# Altium PCB RTM_SFP.PcbDoc (part 10 of 17)
Units mil, origin at the board's own origin, x right, y up, seen from the top; angles counter-clockwise.
Board outline 7185 x 5846.5 mil, 4 copper layers (Top Layer, MidPlane_1, MidPlane_2, Bottom Layer), stack 63.553 mil thick; 389 components, 333 nets, 1578 pads, 1486 vias.
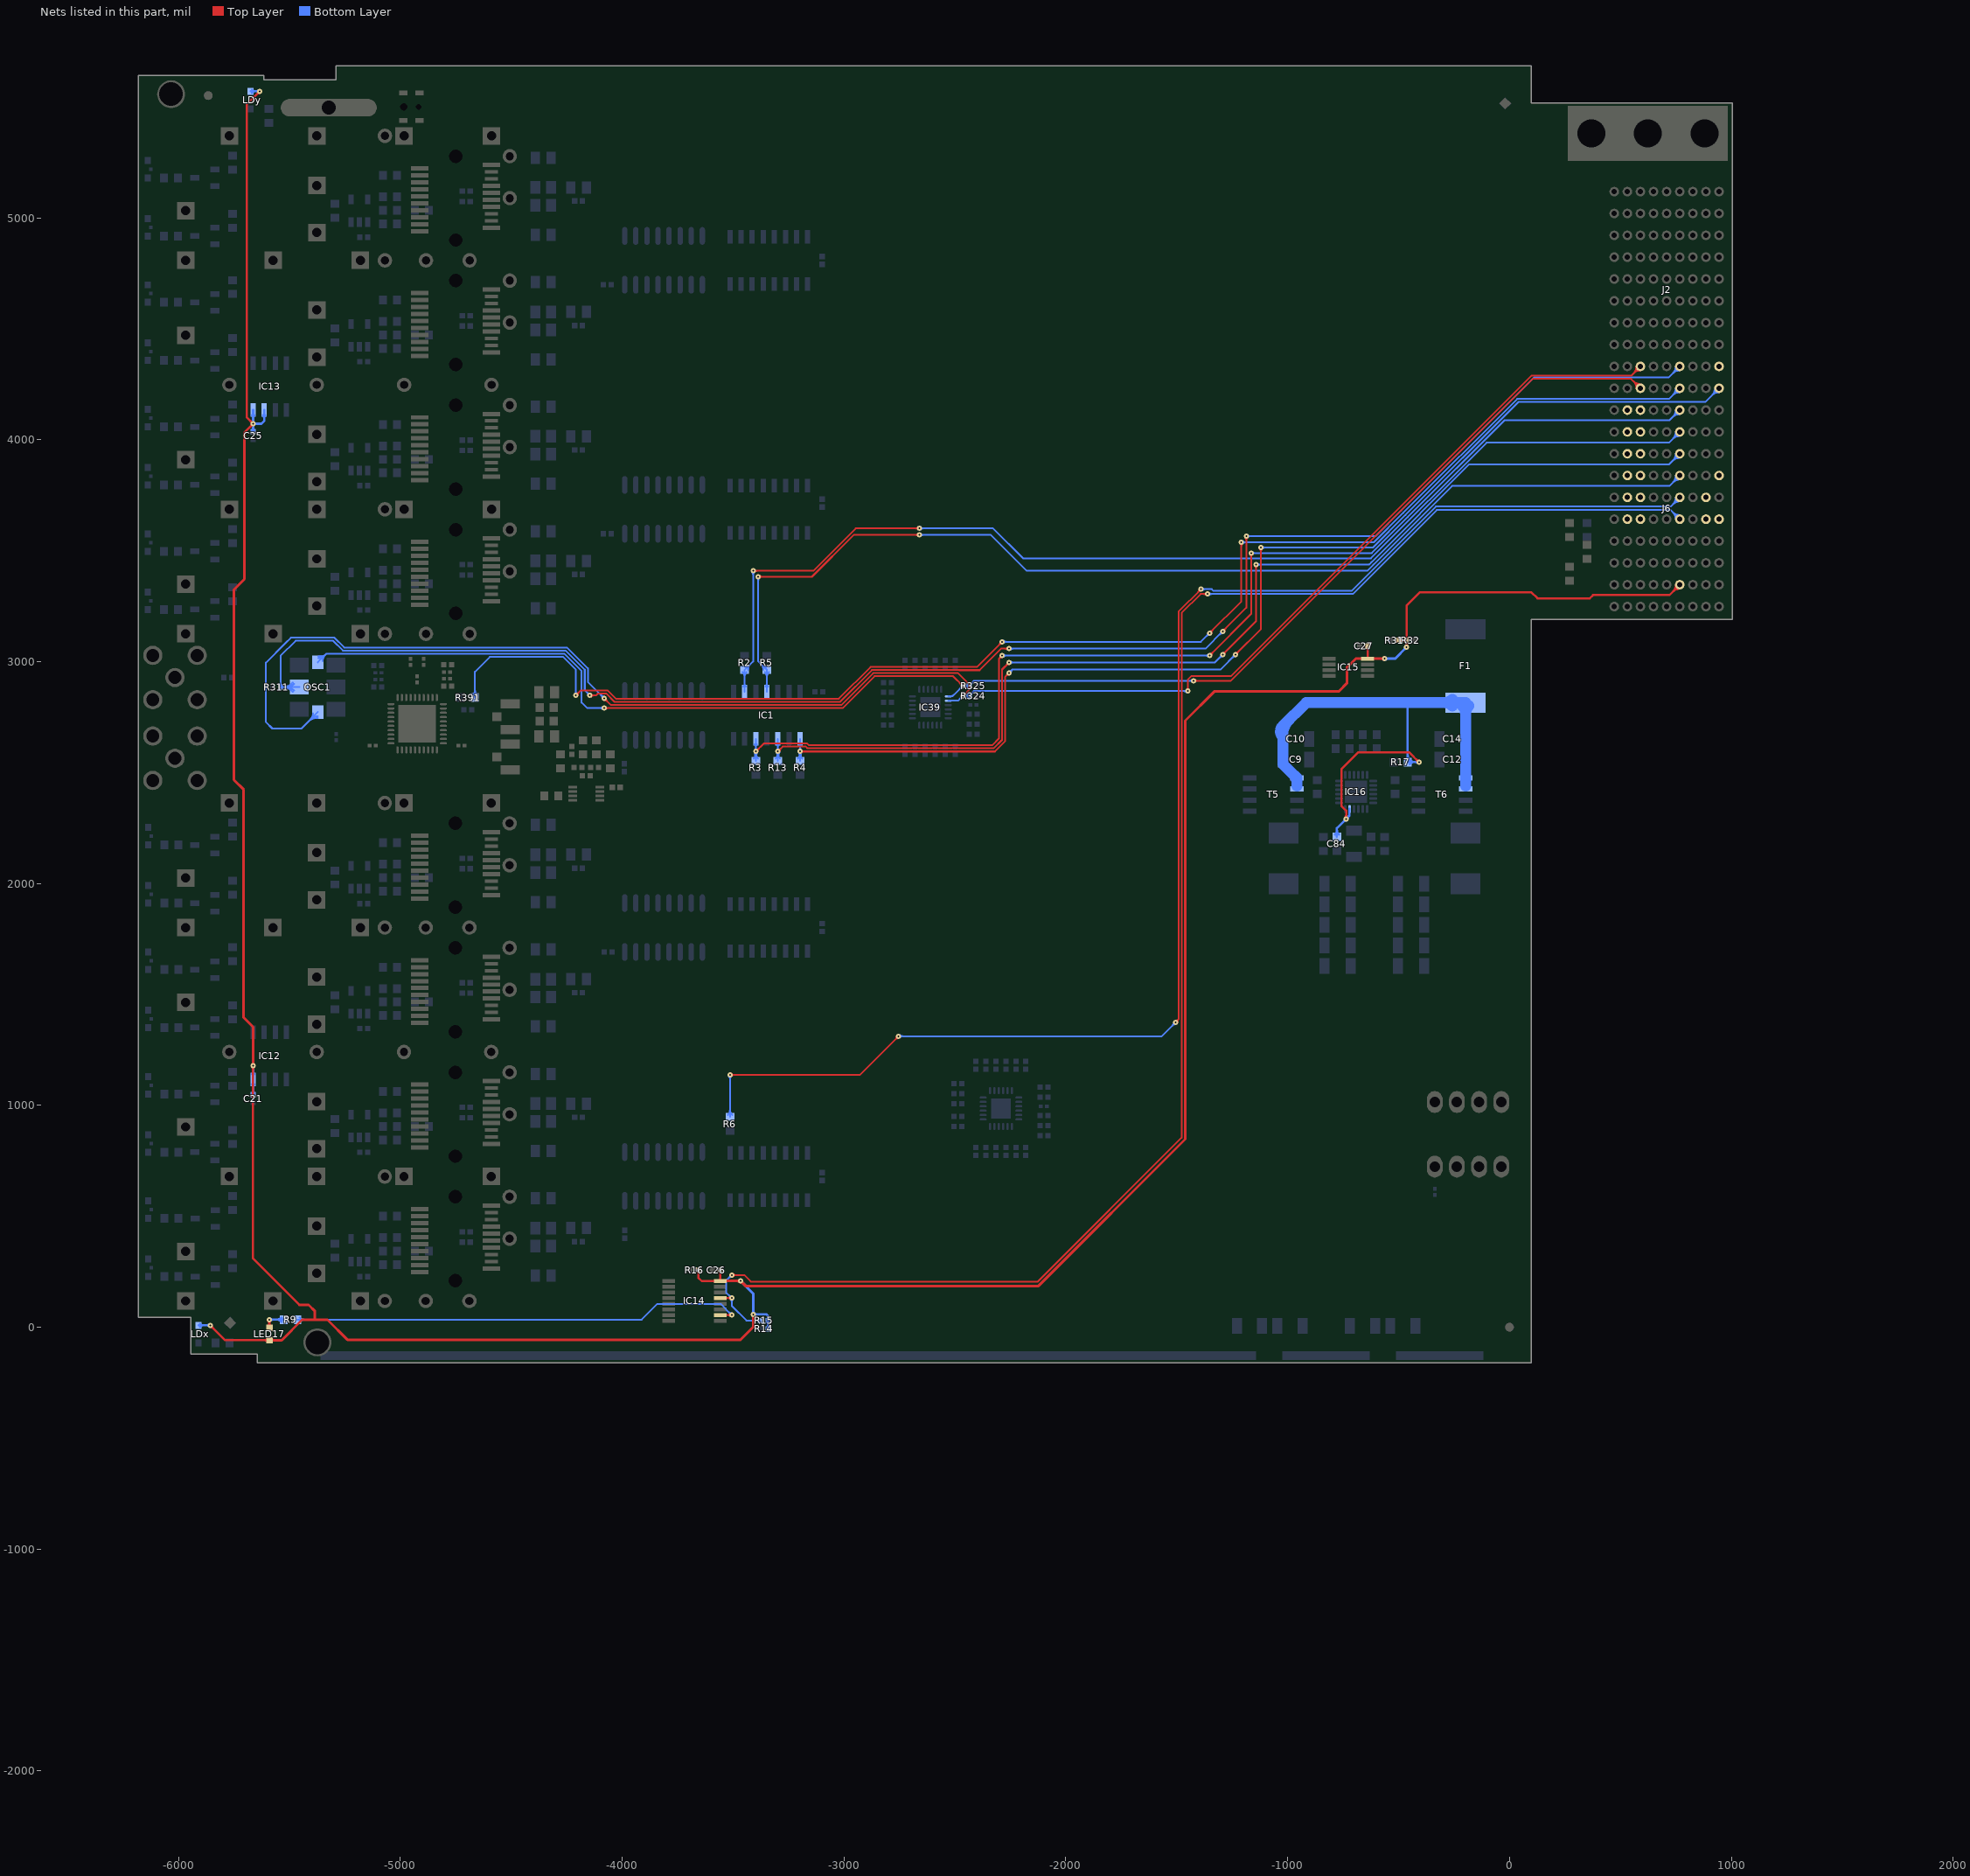
[diagram p12: the nets of this part, all layers, seen from the top]

## Via types
v1: diameter 23.62, hole 7.87, Top Layer to Bottom Layer, tented both sides, 1401 vias
v2: diameter 27.56, hole 11.81, Top Layer to Bottom Layer, tented both sides, 59 vias
v3: diameter 25.98, hole 12.99, Top Layer to Bottom Layer, tented top, 24 vias
v4: diameter 23.62, hole 11.81, Top Layer to Bottom Layer, tented both sides, 2 vias

## Nets (pads, with @x,y where several pads share a name; then routed paths per layer and width w, separated by ;. In a path a pad name is that pad's centre, name@x,y a point inside that pad or via, vN(x,y) a via of type N, cw(c..) or ccw(c..) an arc to the next point about the centre after c; other vN are vias at no path point) (continued)
P3V3MP: C21.1 C25.1 C26.1 C27.1 IC12.8 IC13.7 IC13.8 IC14.16 IC15.8 J6.C2 LDx.2 LDy.2 LED17.A R14.1 R15.1 R16.1 R31.1 R32.1 | length 18204.1
  Top Layer w10: v1(-5857.14,8.32) -5790.21,-58.61 LED17.A@-5590.6,-58.61 ; v1(-5663.8,1178.87) -5664.45,1178.21 -5664.45,309.97 -5455.17,100.68 ; v1(-5663.8,4072.03) -5693.06,4101.29 -5693.06,5511.28 v1(-5634,5570.33) ; LED17.A@-5597.68,-65.68 ccw(c-5614.75,-82.75) -5614.75,-58.61 ccw(c-5614.75,-34.46) LED17.A@-5597.68,-51.54 ; R16.1@-3661.9,252.66 cw(c-3673.53,241.04) -3657.09,241.04 cw(c-3640.64,241.04) R16.1@-3652.27,252.66 ; R16.1@-3657.09,257.48 -3657.09,223.62 -3641.54,208.07 IC14.16@-3558.27,208.07 C26.1@-3558.27,257.48 ; IC14.16@-3580.68,205.34 ccw(c-3587.27,198.76) -3587.27,208.07 ccw(c-3587.27,217.39) IC14.16@-3580.68,210.8 ; C26.1@-3563.36,252.39 cw(c-3575.66,240.09) -3558.27,240.09 cw(c-3540.87,240.09) C26.1@-3553.17,252.39 ; IC14.16@-3561,210.8 ccw(c-3567.58,217.39) -3558.27,217.39 ccw(c-3548.95,217.39) IC14.16@-3555.54,210.8 ; C27.1@-644.46,3064.59 cw(c-656.76,3052.29) -639.37,3052.29 cw(c-621.98,3052.29) C27.1@-634.28,3064.59 ; IC15.8@-642.1,3015.92 ccw(c-648.68,3022.5) -639.37,3022.5 ccw(c-630.06,3022.5) IC15.8@-636.64,3015.92 ; IC15.8@-639.37,3013.19 C27.1@-639.37,3069.69 ; R31.1@-501.59,3096.06 R32.1@-464.17,3096.06 ; R31.1@-496.77,3091.25 cw(c-485.14,3079.62) -485.14,3096.06 cw(c-485.14,3112.51) R31.1@-496.77,3100.88 ; v1(-464.17,3064.96) R32.1@-464.17,3096.06 ; R32.1@-459.36,3091.25 ccw(c-447.73,3079.62) -464.17,3079.62 ccw(c-480.62,3079.62) -468.99,3091.25 ccw(c-480.62,3079.62) -480.62,3096.06 ccw(c-480.62,3112.51) -468.99,3100.88 ccw(c-480.62,3112.51) -464.17,3112.51 ccw(c-447.73,3112.51) R32.1@-459.36,3100.88 ; 746.84,3330.71 cw(c772.34,3323.87) J6.C2@767.05,3349.74 ; 751.97,3325.58 ccw(c745.13,3351.08) J6.C2@770.99,3345.79 ; J6.C2@767.72,3346.46 721.07,3299.81 376.98,3299.81 362.2,3285.04 125.98,3285.04 98.03,3312.99 -402.76,3312.99 -464.17,3251.57 R32.1@-464.17,3096.06 ; -5845.51,-3.3 cw(c-5833.89,8.32) -5850.33,8.32 ccw(c-5833.89,8.32) -5845.51,-3.3 ; -5845.51,-3.3 ccw(c-5857.14,-14.93) -5857.14,1.51 cw(c-5857.14,-14.93) -5845.51,-3.3 ; -5675.42,4083.66 cw(c-5687.05,4072.03) -5670.61,4072.03 ccw(c-5687.05,4072.03) -5675.42,4083.66 ; -5675.42,4083.66 ccw(c-5663.8,4095.29) -5663.8,4078.84 cw(c-5663.8,4095.29) -5675.42,4083.66 ; -5645.63,5558.7 cw(c-5634,5547.08) -5634,5563.52 ccw(c-5634,5547.08) -5645.63,5558.7 ; -5645.63,5558.7 ccw(c-5657.25,5570.33) -5640.81,5570.33 cw(c-5657.25,5570.33) -5645.63,5558.7 ; -464.17,3081.4 cw(c-480.62,3081.4) -468.99,3069.78 ccw(c-480.62,3081.4) -464.17,3081.4 ; -464.17,3081.4 ccw(c-447.73,3081.4) -459.36,3069.78 cw(c-447.73,3081.4) -464.17,3081.4 ; 739.29,3318.03 cw(c767.72,3289.6) 767.72,3329.8 ccw(c767.72,3289.6) 739.29,3318.03 ; 739.29,3318.03 ccw(c710.86,3346.46) 751.06,3346.46 cw(c710.86,3346.46) 739.29,3318.03 ; v1@-5668.61,1174.05 cw(c-5678.65,1164.01) -5664.45,1164.01 ccw(c-5678.65,1164.01) v1@-5668.61,1174.05 ; -5664.45,1160.84 cw(c-5645.76,1160.84) -5658.98,1174.05 ccw(c-5645.76,1160.84) -5664.45,1160.84
  Top Layer w11.81: v1(-5663.8,1178.87) -5663.8,1352.77 -5706.57,1395.55 -5706.57,2423.11 -5750.55,2467.08 -5750.55,3324.26 -5703.15,3371.65 -5703.15,4032.68 v1(-5663.8,4072.03) ; LED17.A@-5590.6,-58.61 -5534.98,-58.61 -5442.91,33.46 -5328.89,33.46 -5239.06,-56.37 -3466.02,-56.37 -3408.66,0.99 v1(-3408.66,57.87) ; LED17.A@-5584.17,-65.04 cw(c-5568.65,-80.56) -5568.65,-58.61 cw(c-5568.65,-36.65) LED17.A@-5584.17,-52.18 ; -5455.17,100.68 -5413.68,100.68 -5385.43,72.44 -5385.43,33.46 ; IC14.16@-3558.27,208.07 v1(-3465.75,208.07) -3443.7,186.02 -2123.1,186.02 -1461.81,847.31 -1461.81,2733.64 -1328.91,2866.54 -768.41,2866.54 -733.02,2901.93 -733.02,2973.67 -693.5,3013.19 IC15.8@-639.37,3013.19 v1(-562.99,3013.19) ; -5673.88,4061.95 cw(c-5663.8,4051.87) -5663.8,4066.13 ccw(c-5663.8,4051.87) -5673.88,4061.95 ; -5673.88,4061.95 ccw(c-5683.96,4072.03) -5669.7,4072.03 cw(c-5683.96,4072.03) -5673.88,4061.95 ; -5663.8,1193.12 cw(c-5678.05,1193.12) -5667.97,1183.04 ccw(c-5678.05,1193.12) -5663.8,1193.12 ; -5663.8,1193.12 ccw(c-5649.54,1193.12) -5659.62,1183.04 cw(c-5649.54,1193.12) -5663.8,1193.12 ; -3480.01,208.07 cw(c-3480.01,193.81) -3469.92,203.89 ccw(c-3480.01,193.81) -3480.01,208.07 ; -3480.01,208.07 ccw(c-3480.01,222.33) -3469.92,212.25 cw(c-3480.01,222.33) -3480.01,208.07 ; -3455.67,197.99 cw(c-3445.59,208.07) -3459.84,208.07 ccw(c-3445.59,208.07) -3455.67,197.99 ; -3455.67,197.99 ccw(c-3465.75,187.91) -3465.75,202.17 cw(c-3465.75,187.91) -3455.67,197.99 ; -3408.66,43.62 cw(c-3394.4,43.62) -3404.49,53.7 ccw(c-3394.4,43.62) -3408.66,43.62 ; -3408.66,43.62 ccw(c-3422.92,43.62) -3412.84,53.7 cw(c-3422.92,43.62) -3408.66,43.62 ; -577.25,3013.19 cw(c-577.25,2998.93) -567.17,3009.01 ccw(c-577.25,2998.93) -577.25,3013.19 ; -577.25,3013.19 ccw(c-577.25,3027.45) -567.17,3017.36 cw(c-577.25,3027.45) -577.25,3013.19
  Bottom Layer w10: LDx.2@-5909.5,8.32 v1(-5857.14,8.32) ; LDx.2@-5903.29,2.11 cw(c-5888.31,-12.87) -5888.31,8.32 cw(c-5888.31,29.52) LDx.2@-5903.29,14.53 ; LDy.2@-5675.25,5570.33 v1(-5634,5570.33) ; LDy.2@-5669.04,5564.12 cw(c-5654.05,5549.14) -5654.05,5570.33 cw(c-5654.05,5591.53) LDy.2@-5669.04,5576.54 ; C21.1@-5668.89,1053.13 ccw(c-5681.19,1065.43) -5663.8,1065.43 ccw(c-5646.4,1065.43) C21.1@-5658.7,1053.13 ; C25.1@-5668.89,4041.51 ccw(c-5681.19,4053.81) -5663.8,4053.81 ccw(c-5646.4,4053.81) C25.1@-5658.7,4041.51 ; IC12.8@-5668.61,1094.06 cw(c-5680.24,1082.43) -5663.8,1082.43 cw(c-5647.35,1082.43) IC12.8@-5658.98,1094.06 ; IC12.8@-5668.61,1141.09 ccw(c-5680.24,1152.72) -5663.8,1152.72 ccw(c-5647.35,1152.72) IC12.8@-5658.98,1141.09 ; IC13.8@-5668.61,4109.81 cw(c-5680.24,4098.18) -5663.8,4098.18 cw(c-5647.35,4098.18) IC13.8@-5658.98,4109.81 ; C21.1@-5663.8,1048.03 IC12.8@-5663.8,1117.58 v1(-5663.8,1178.87) ; C25.1@-5663.8,4036.42 v1(-5663.8,4072.03) ; IC13.8@-5663.8,4133.32 v1(-5663.8,4072.03) ; IC13.7@-5618.61,4109.81 cw(c-5630.24,4098.18) -5613.8,4098.18 cw(c-5597.35,4098.18) IC13.7@-5608.98,4109.81 ; IC13.7@-5613.8,4133.32 -5613.8,4084.63 -5626.39,4072.03 v1(-5663.8,4072.03) ; v1(-3408.66,57.87) -3350,57.87 -3342.91,50.79 R15.1@-3342.91,30.32 R14.1@-3342.91,-7.09 ; R14.1@-3347.73,-2.27 ccw(c-3359.36,9.36) -3342.91,9.36 ccw(c-3326.47,9.36) R14.1@-3338.1,-2.27 ; R15.1@-3347.73,25.5 cw(c-3359.36,13.87) -3342.91,13.87 cw(c-3326.47,13.87) R15.1@-3338.1,25.5 ; R15.1@-3347.73,35.13 ccw(c-3359.36,46.76) -3342.91,46.76 ccw(c-3326.47,46.76) R15.1@-3338.1,35.13 ; -5873.58,8.32 cw(c-5873.58,-8.12) -5861.96,3.51 ccw(c-5873.58,-8.12) -5873.58,8.32 ; -5873.58,8.32 ccw(c-5873.58,24.77) -5861.96,13.14 cw(c-5873.58,24.77) -5873.58,8.32 ; -5663.8,1162.42 cw(c-5647.35,1162.42) -5658.98,1174.05 ccw(c-5647.35,1162.42) -5663.8,1162.42 ; -5663.8,1162.42 ccw(c-5680.24,1162.42) -5668.61,1174.05 cw(c-5680.24,1162.42) -5663.8,1162.42 ; -5663.8,4055.59 cw(c-5647.35,4055.59) v1@-5658.98,4067.22 ; -5663.8,4055.59 ccw(c-5680.24,4055.59) -5668.61,4067.22 cw(c-5680.24,4055.59) -5663.8,4055.59 ; -5663.8,4055.59 cw(c-5647.35,4055.59) v1@-5658.98,4067.22 ; -5663.8,4088.47 cw(c-5680.24,4088.47) -5668.61,4076.85 ccw(c-5680.24,4088.47) -5663.8,4088.47 ; -5663.8,4088.47 ccw(c-5647.35,4088.47) v1@-5658.98,4076.85 ; -5663.8,4088.47 ccw(c-5647.35,4088.47) v1@-5658.98,4076.85 ; v1@-5658.98,4067.22 cw(c-5647.35,4055.59) -5647.35,4072.03 ; v1@-5658.98,4067.22 cw(c-5647.35,4055.59) -5647.35,4072.03 ; v1@-5658.98,4076.85 ccw(c-5647.35,4088.47) -5647.35,4072.03 ; v1@-5658.98,4076.85 ccw(c-5647.35,4088.47) -5647.35,4072.03 ; -5650.44,5570.33 cw(c-5650.44,5553.89) -5638.82,5565.51 ccw(c-5650.44,5553.89) -5650.44,5570.33 ; -5650.44,5570.33 ccw(c-5650.44,5586.77) -5638.82,5575.15 cw(c-5650.44,5586.77) -5650.44,5570.33 ; -3392.22,57.87 cw(c-3392.22,74.32) -3403.85,62.69 ccw(c-3392.22,74.32) -3392.22,57.87 ; -3392.22,57.87 ccw(c-3392.22,41.43) -3403.85,53.06 cw(c-3392.22,41.43) -3392.22,57.87
  Bottom Layer w11.81: v1(-3465.75,208.07) -3408.66,150.98 v1(-3408.66,57.87) ; v1(-562.99,3013.19) -515.94,3013.19 v1(-464.17,3064.96) ; -3455.67,197.99 cw(c-3445.59,208.07) -3459.84,208.07 ccw(c-3445.59,208.07) -3455.67,197.99 ; -3455.67,197.99 ccw(c-3465.75,187.91) -3465.75,202.17 cw(c-3465.75,187.91) -3455.67,197.99 ; -3408.66,72.13 cw(c-3422.92,72.13) -3412.84,62.05 ccw(c-3422.92,72.13) -3408.66,72.13 ; -3408.66,72.13 ccw(c-3394.4,72.13) -3404.49,62.05 cw(c-3394.4,72.13) -3408.66,72.13 ; -548.73,3013.19 cw(c-548.73,3027.45) -558.82,3017.36 ccw(c-548.73,3027.45) -548.73,3013.19 ; -548.73,3013.19 ccw(c-548.73,2998.93) -558.82,3009.01 cw(c-548.73,2998.93) -548.73,3013.19 ; -474.25,3054.88 cw(c-464.17,3044.8) -464.17,3059.06 ccw(c-464.17,3044.8) -474.25,3054.88 ; -474.25,3054.88 ccw(c-484.34,3064.96) -470.08,3064.96 cw(c-484.34,3064.96) -474.25,3054.88
P4: IC14.10 R9.1 | length 2249.2
  Top Layer w7.99: IC14.10@-3558.27,54.53 v1(-3506.1,54.53) ; IC14.10@-3535.14,51.09 cw(c-3526.84,42.79) -3526.84,54.53 cw(c-3526.84,66.27) IC14.10@-3535.14,57.97 ; -3524.97,54.53 cw(c-3524.97,35.66) -3511.63,49 ccw(c-3524.97,35.66) -3524.97,54.53 ; -3524.97,54.53 ccw(c-3524.97,73.39) -3511.63,60.05 cw(c-3524.97,73.39) -3524.97,54.53
  Bottom Layer w7.99: R9.1@-5463.78,34.25 -3912.6,34.25 -3841.73,105.12 -3556.69,105.12 v1(-3506.1,54.53) ; R9.1@-5454.08,24.55 cw(c-5430.66,1.13) -5430.66,34.25 cw(c-5430.66,67.38) R9.1@-5454.08,43.95 ; -3519.44,67.87 cw(c-3532.78,54.53) -3513.92,54.53 ccw(c-3532.78,54.53) -3519.44,67.87 ; -3519.44,67.87 ccw(c-3506.1,81.21) -3506.1,62.34 cw(c-3506.1,81.21) -3519.44,67.87
P4_RED: LED17.K R9.2 | length 291.2
  Top Layer w10: LED17.K@-5597.68,3.46 ccw(c-5614.75,20.54) -5590.6,20.54 ccw(c-5566.46,20.54) LED17.K@-5583.53,3.46 ; LED17.K@-5590.6,-3.61 v1(-5590.6,34.25) ; -5590.6,17.81 cw(c-5574.16,17.81) -5585.79,29.44 ccw(c-5574.16,17.81) -5590.6,17.81 ; -5590.6,17.81 ccw(c-5607.05,17.81) -5595.42,29.44 cw(c-5607.05,17.81) -5590.6,17.81
  Bottom Layer w10: v1(-5590.6,34.25) R9.2@-5526.77,34.25 ; R9.2@-5535.76,25.26 ccw(c-5557.47,3.55) -5557.47,34.25 ccw(c-5557.47,64.95) R9.2@-5535.76,43.24 ; -5574.16,34.25 cw(c-5574.16,50.7) -5585.79,39.07 ccw(c-5574.16,50.7) -5574.16,34.25 ; -5574.16,34.25 ccw(c-5574.16,17.81) -5585.79,29.44 cw(c-5574.16,17.81) -5574.16,34.25
P12V: C9.2 C10.2 C12.2 C14.2 C84.1 F1.2 IC16.17 R17.1 T5.5 T5.6 T6.5 T6.6 | length 3346.2
  Top Layer w10: v1(-736.22,2290.94) -736.22,2327.95 -756.3,2348.03 -756.3,2516.34 -681.1,2591.54 -452.56,2591.54 v1(-408.27,2547.24) ; -736.22,2307.39 cw(c-752.66,2307.39) -741.04,2295.76 ccw(c-752.66,2307.39) -736.22,2307.39 ; -736.22,2307.39 ccw(c-719.78,2307.39) -731.4,2295.76 cw(c-719.78,2307.39) -736.22,2307.39 ; -419.89,2558.87 cw(c-431.52,2547.24) -415.08,2547.24 ccw(c-431.52,2547.24) -419.89,2558.87 ; -419.89,2558.87 ccw(c-408.27,2570.5) -408.27,2554.06 cw(c-408.27,2570.5) -419.89,2558.87
  Bottom Layer w10: C84.1@-787.64,2219.53 ccw(c-811.03,2242.92) -777.95,2242.92 ccw(c-744.88,2242.92) C84.1@-768.26,2219.53 ; C84.1@-777.95,2209.84 -777.95,2249.21 v1(-736.22,2290.94) -720.87,2306.3 IC16.17@-720.87,2335.83 ; R17.1@-467.65,2558.2 ccw(c-489.36,2579.91) -458.66,2579.91 ccw(c-427.96,2579.91) R17.1@-449.67,2558.2 ; -458.66,2814.17 R17.1@-458.66,2547.24 v1(-408.27,2547.24) ; R17.1@-449.67,2538.25 cw(c-427.96,2516.54) -427.96,2547.24 cw(c-427.96,2577.94) R17.1@-449.67,2556.24 ; -747.85,2279.32 cw(c-736.22,2267.69) -736.22,2284.13 ccw(c-736.22,2267.69) -747.85,2279.32 ; -747.85,2279.32 ccw(c-759.47,2290.94) -743.03,2290.94 cw(c-759.47,2290.94) -747.85,2279.32 ; -724.59,2302.57 cw(c-736.22,2314.2) -736.22,2297.76 ccw(c-736.22,2314.2) -724.59,2302.57 ; -724.59,2302.57 ccw(c-712.97,2290.94) -729.41,2290.94 cw(c-712.97,2290.94) -724.59,2302.57 ; -424.71,2547.24 cw(c-424.71,2530.8) -413.08,2542.43 ccw(c-424.71,2530.8) -424.71,2547.24 ; -424.71,2547.24 ccw(c-424.71,2563.69) -413.08,2552.06 cw(c-424.71,2563.69) -424.71,2547.24
  Bottom Layer w50: C10.2@-1024.02,2663.98 cw(c-918.04,2663.98) -992.98,2738.91 ; C10.2@-1023.44,2662.44 cw(c-996.79,2685.37) -1021.65,2710.24 ; T5.5@-968.07,2485.2 cw(c-977.48,2475.79) T5.5@-964.17,2475.79 ; -958.66,2438.98 T5.5@-958.66,2475.79 -1021.65,2538.78 C9.2@-1021.65,2558.66 C10.2@-1021.65,2651.18 -1021.65,2710.24 ; F1.2@-257.25,2801.02 ccw(c-291.86,2766.4) -291.86,2815.35 ccw(c-291.86,2864.3) F1.2@-257.25,2829.69 ; F1.2@-211.97,2801.02 cw(c-246.59,2766.4) -197.64,2766.4 cw(c-148.69,2766.4) F1.2@-183.3,2801.02 ; -197.64,2438.98 T6.5@-197.64,2475.79 C12.2@-197.64,2558.66 C14.2@-197.64,2651.18 F1.2@-197.64,2815.35 -916.54,2815.35 -1021.65,2710.24
RTM_IO0: IC14.13 J6.C5 R15.2 | length 8295.8
  Top Layer w7.99: IC14.13@-3558.27,131.3 v1(-3506.1,131.3) ; IC14.13@-3535.14,127.86 cw(c-3526.84,119.56) -3526.84,131.3 cw(c-3526.84,143.04) IC14.13@-3535.14,134.74 ; v1(-3506.1,235.04) -3449.61,235.04 -3420.28,205.71 -2125.9,205.71 -1477.71,853.9 -1477.71,3219.53 -1392.58,3304.66 v1(-1360.63,3304.66) ; -3524.97,131.3 cw(c-3524.97,112.43) -3511.63,125.77 ccw(c-3524.97,112.43) -3524.97,131.3 ; -3524.97,131.3 ccw(c-3524.97,150.17) -3511.63,136.83 cw(c-3524.97,150.17) -3524.97,131.3 ; -3487.24,235.04 cw(c-3487.24,253.91) -3500.58,240.57 ccw(c-3487.24,253.91) -3487.24,235.04 ; -3487.24,235.04 ccw(c-3487.24,216.17) -3500.58,229.51 cw(c-3487.24,216.17) -3487.24,235.04 ; -1379.5,3304.66 cw(c-1379.5,3285.79) -1366.16,3299.14 ccw(c-1379.5,3285.79) -1379.5,3304.66 ; -1379.5,3304.66 ccw(c-1379.5,3323.53) -1366.16,3310.19 cw(c-1379.5,3323.53) -1379.5,3304.66
  Bottom Layer w7.99: v1(-3506.1,235.04) -3531.5,209.65 -3531.5,156.69 v1(-3506.1,131.3) -3506.1,96.65 -3439.76,30.32 R15.2@-3378.35,30.32 ; R15.2@-3383.87,24.79 ccw(c-3397.21,11.45) -3397.21,30.32 ccw(c-3397.21,49.18) R15.2@-3383.87,35.84 ; v1@-1361.81,3304.66 -706.37,3304.66 -327.97,3683.07 726.38,3683.07 J6.C5@767.72,3641.73 ; 742.85,3666.05 cw(c734.52,3634.93) J6.C5@766.08,3641.4 ; 743.4,3666.59 ccw(c774.52,3674.93) J6.C5@768.05,3643.37 ; 746.74,3654.1 ccw(c771.61,3660.77) J6.C5@766.45,3635.54 ; 755.35,3662.7 cw(c748.68,3637.83) J6.C5@773.91,3643 ; -3519.44,144.64 cw(c-3532.78,131.3) -3513.92,131.3 ccw(c-3532.78,131.3) -3519.44,144.64 ; -3519.44,144.64 ccw(c-3506.1,157.98) -3506.1,139.11 cw(c-3506.1,157.98) -3519.44,144.64 ; -3519.44,221.7 cw(c-3506.1,208.36) -3506.1,227.22 ccw(c-3506.1,208.36) -3519.44,221.7 ; -3519.44,221.7 ccw(c-3532.78,235.04) -3513.92,235.04 cw(c-3532.78,235.04) -3519.44,221.7 ; -3506.1,112.43 cw(c-3487.24,112.43) -3500.58,125.77 ccw(c-3487.24,112.43) -3506.1,112.43 ; -3506.1,112.43 ccw(c-3524.97,112.43) -3511.63,125.77 cw(c-3524.97,112.43) -3506.1,112.43 ; -1341.76,3304.66 cw(c-1341.76,3323.53) -1355.1,3310.19 ccw(c-1341.76,3323.53) -1341.76,3304.66 ; -1341.76,3304.66 ccw(c-1341.76,3285.79) -1355.1,3299.14 cw(c-1341.76,3285.79) -1341.76,3304.66 ; 737.57,3671.88 cw(c707.43,3641.73) 750.06,3641.73 ccw(c707.43,3641.73) 737.57,3671.88 ; 737.57,3671.88 ccw(c767.72,3702.02) 767.72,3659.39 cw(c767.72,3702.02) 737.57,3671.88 ; 751.22,3658.23 cw(c734.72,3641.73) 758.05,3641.73 ccw(c734.72,3641.73) 751.22,3658.23 ; 751.22,3658.23 ccw(c767.72,3674.73) 767.72,3651.4 cw(c767.72,3674.73) 751.22,3658.23
RTM_IO1: J6.C6 R6.2 | length 7584.7
  Top Layer w7.99: v1(-3514.17,1136.85) -2928.51,1136.85 v1(-2753.87,1311.48) ; -2764.25,1301.91 cw(c-2751.2,1298.41) v1@-2753.91,1311.65 ; -2763.44,1301.1 ccw(c-2766.94,1314.16) v1@-2753.7,1311.44 ; v1@-1506.08,1373.26 cw(c-1492.84,1370.55) -1496.34,1383.61 ; v1(-1505.91,1373.23) -1491.71,1387.43 -1491.71,3225.33 -1390.26,3326.77 v1(-1390.16,3326.77) ; v1@-1505.87,1373.05 ccw(c-1508.58,1386.3) -1495.53,1382.8 ; -1400.52,3317.26 cw(c-1387.56,3313.79) v1@-1390.19,3326.95 ; -1399.79,3316.38 ccw(c-1403.31,3329.53) v1@-1389.98,3326.74 ; -3495.31,1136.85 cw(c-3495.31,1155.71) -3508.65,1142.37 ccw(c-3495.31,1155.71) -3495.31,1136.85 ; -3495.31,1136.85 ccw(c-3495.31,1117.98) -3508.65,1131.32 cw(c-3495.31,1117.98) -3495.31,1136.85 ; -2767.22,1298.14 cw(c-2753.87,1284.8) -2753.87,1303.67 ccw(c-2753.87,1284.8) -2767.22,1298.14 ; -2767.22,1298.14 ccw(c-2780.56,1311.48) -2761.69,1311.48 cw(c-2780.56,1311.48) -2767.22,1298.14 ; -1492.56,1386.57 cw(c-1505.91,1399.91) -1505.91,1381.04 ccw(c-1505.91,1399.91) -1492.56,1386.57 ; -1492.56,1386.57 ccw(c-1479.22,1373.23) -1498.09,1373.23 cw(c-1479.22,1373.23) -1492.56,1386.57 ; -1403.67,3313.36 cw(c-1390.16,3299.84) -1390.16,3318.96 ccw(c-1390.16,3299.84) -1403.67,3313.36 ; -1403.43,3313.61 ccw(c-1416.59,3326.77) -1397.97,3326.77 cw(c-1416.59,3326.77) -1403.43,3313.61
  Bottom Layer w7.99: R6.2@-3523.88,956.95 ccw(c-3547.3,980.37) -3514.17,980.37 ccw(c-3481.05,980.37) R6.2@-3504.47,956.95 ; R6.2@-3514.17,947.24 v1(-3514.17,1136.85) ; v1(-2753.87,1311.48) -1567.65,1311.48 v1(-1505.91,1373.23) ; v1(-1390.16,3326.77) -1341.73,3326.77 -1333.62,3318.66 -712.16,3318.66 -331.61,3699.21 726.77,3699.21 J6.C6@767.72,3740.16 ; 742.85,3715.84 ccw(c734.52,3746.96) J6.C6@766.08,3740.49 ; 743.4,3715.3 cw(c774.52,3706.96) J6.C6@768.05,3738.52 ; 746.74,3727.79 cw(c771.61,3721.12) J6.C6@766.45,3746.35 ; 755.35,3719.19 ccw(c748.68,3744.06) J6.C6@773.91,3738.89 ; -3514.17,1117.98 cw(c-3495.31,1117.98) -3508.65,1131.32 ccw(c-3495.31,1117.98) -3514.17,1117.98 ; -3514.17,1117.98 ccw(c-3533.04,1117.98) -3519.7,1131.32 cw(c-3533.04,1117.98) -3514.17,1117.98 ; -2735.01,1311.48 cw(c-2735.01,1330.35) -2748.35,1317.01 ccw(c-2735.01,1330.35) -2735.01,1311.48 ; -2735.01,1311.48 ccw(c-2735.01,1292.61) -2748.35,1305.95 cw(c-2735.01,1292.61) -2735.01,1311.48 ; -1519.25,1359.89 cw(c-1505.91,1346.55) -1505.91,1365.41 ccw(c-1505.91,1346.55) -1519.25,1359.89 ; -1519.25,1359.89 ccw(c-1532.59,1373.23) -1513.72,1373.23 cw(c-1532.59,1373.23) -1519.25,1359.89 ; -1371.29,3326.77 cw(c-1371.29,3345.64) -1384.63,3332.3 ccw(c-1371.29,3345.64) -1371.29,3326.77 ; -1371.29,3326.77 ccw(c-1371.29,3307.9) -1384.63,3321.25 cw(c-1371.29,3307.9) -1371.29,3326.77 ; 737.57,3710.01 cw(c767.72,3679.87) 767.72,3722.5 ccw(c767.72,3679.87) 737.57,3710.01 ; 737.57,3710.01 ccw(c707.43,3740.16) 750.06,3740.16 cw(c707.43,3740.16) 737.57,3710.01 ; 751.22,3723.66 cw(c767.72,3707.16) 767.72,3730.49 ccw(c767.72,3707.16) 751.22,3723.66 ; 751.22,3723.66 ccw(c734.72,3740.16) 758.05,3740.16 cw(c734.72,3740.16) 751.22,3723.66
RTM_IO2: IC1.11 J6.C7 R5.2 | length 5718.2
  Top Layer w8: v1(-3387.01,3382.28) -3144.88,3382.28 -2956.3,3570.87 v1(-2660.24,3570.87) ; -3368.15,3382.28 cw(c-3368.15,3401.14) -3381.48,3387.81 ccw(c-3368.15,3401.14) -3368.15,3382.28 ; -3368.15,3382.28 ccw(c-3368.15,3363.43) -3381.48,3376.76 cw(c-3368.15,3363.43) -3368.15,3382.28 ; -2679.09,3570.87 cw(c-2679.09,3552.01) -2665.76,3565.34 ccw(c-2679.09,3552.01) -2679.09,3570.87 ; -2679.09,3570.87 ccw(c-2679.09,3589.72) -2665.76,3576.39 cw(c-2679.09,3589.72) -2679.09,3570.87
  Bottom Layer w7.99: v1(-2660.24,3570.87) -2338.07,3570.87 -2176.26,3409.06 -641.56,3409.06 -613.69,3436.92 -259.27,3791.34 720.47,3791.34 J6.C7@767.72,3838.58 ; 742.85,3814.26 ccw(c734.52,3845.38) J6.C7@766.08,3838.92 ; 743.4,3813.72 cw(c774.52,3805.38) J6.C7@768.05,3836.94 ; 746.74,3826.21 cw(c771.61,3819.55) J6.C7@766.45,3844.77 ; 755.35,3817.61 ccw(c748.68,3842.48) J6.C7@773.91,3837.32 ; -2641.37,3570.87 cw(c-2641.37,3589.73) -2654.71,3576.39 ccw(c-2641.37,3589.73) -2641.37,3570.87 ; -2641.37,3570.87 ccw(c-2641.37,3552) -2654.71,3565.34 cw(c-2641.37,3552) -2641.37,3570.87 ; 737.57,3808.44 cw(c767.72,3778.3) 767.72,3820.93 ccw(c767.72,3778.3) 737.57,3808.44 ; 737.57,3808.44 ccw(c707.43,3838.58) 750.06,3838.58 cw(c707.43,3838.58) 737.57,3808.44 ; 751.22,3822.08 cw(c767.72,3805.58) 767.72,3828.92 ccw(c767.72,3805.58) 751.22,3822.08 ; 751.22,3822.08 ccw(c734.72,3838.58) 758.05,3838.58 cw(c734.72,3838.58) 751.22,3822.08
  Bottom Layer w8: v1(-3387.01,3382.28) -3387.01,3001.57 R5.2@-3348.03,2962.6 IC1.11@-3348.03,2864.17 ; -3374.81,2989.37 cw(c-3401.58,2962.6) R5.2@-3363.72,2962.6 ; -3370.06,2984.62 ccw(c-3350,3004.68) R5.2@-3350,2976.31 ; R5.2@-3357.73,2952.9 cw(c-3381.15,2929.48) -3348.03,2929.48 cw(c-3314.92,2929.48) R5.2@-3338.33,2952.9 ; IC1.11@-3353.55,2888.4 ccw(c-3366.89,2901.73) -3348.03,2901.73 ccw(c-3329.17,2901.73) IC1.11@-3342.51,2888.4 ; -3387.01,3363.43 cw(c-3368.15,3363.43) -3381.48,3376.76 ccw(c-3368.15,3363.43) -3387.01,3363.43 ; -3387.01,3363.43 ccw(c-3405.87,3363.43) -3392.53,3376.76 cw(c-3405.87,3363.43) -3387.01,3363.43